# KiCad board output.Panel_R0.5.1_300x300_2layer_step1_Modified_1and5_only.kicad_pcb (continued)
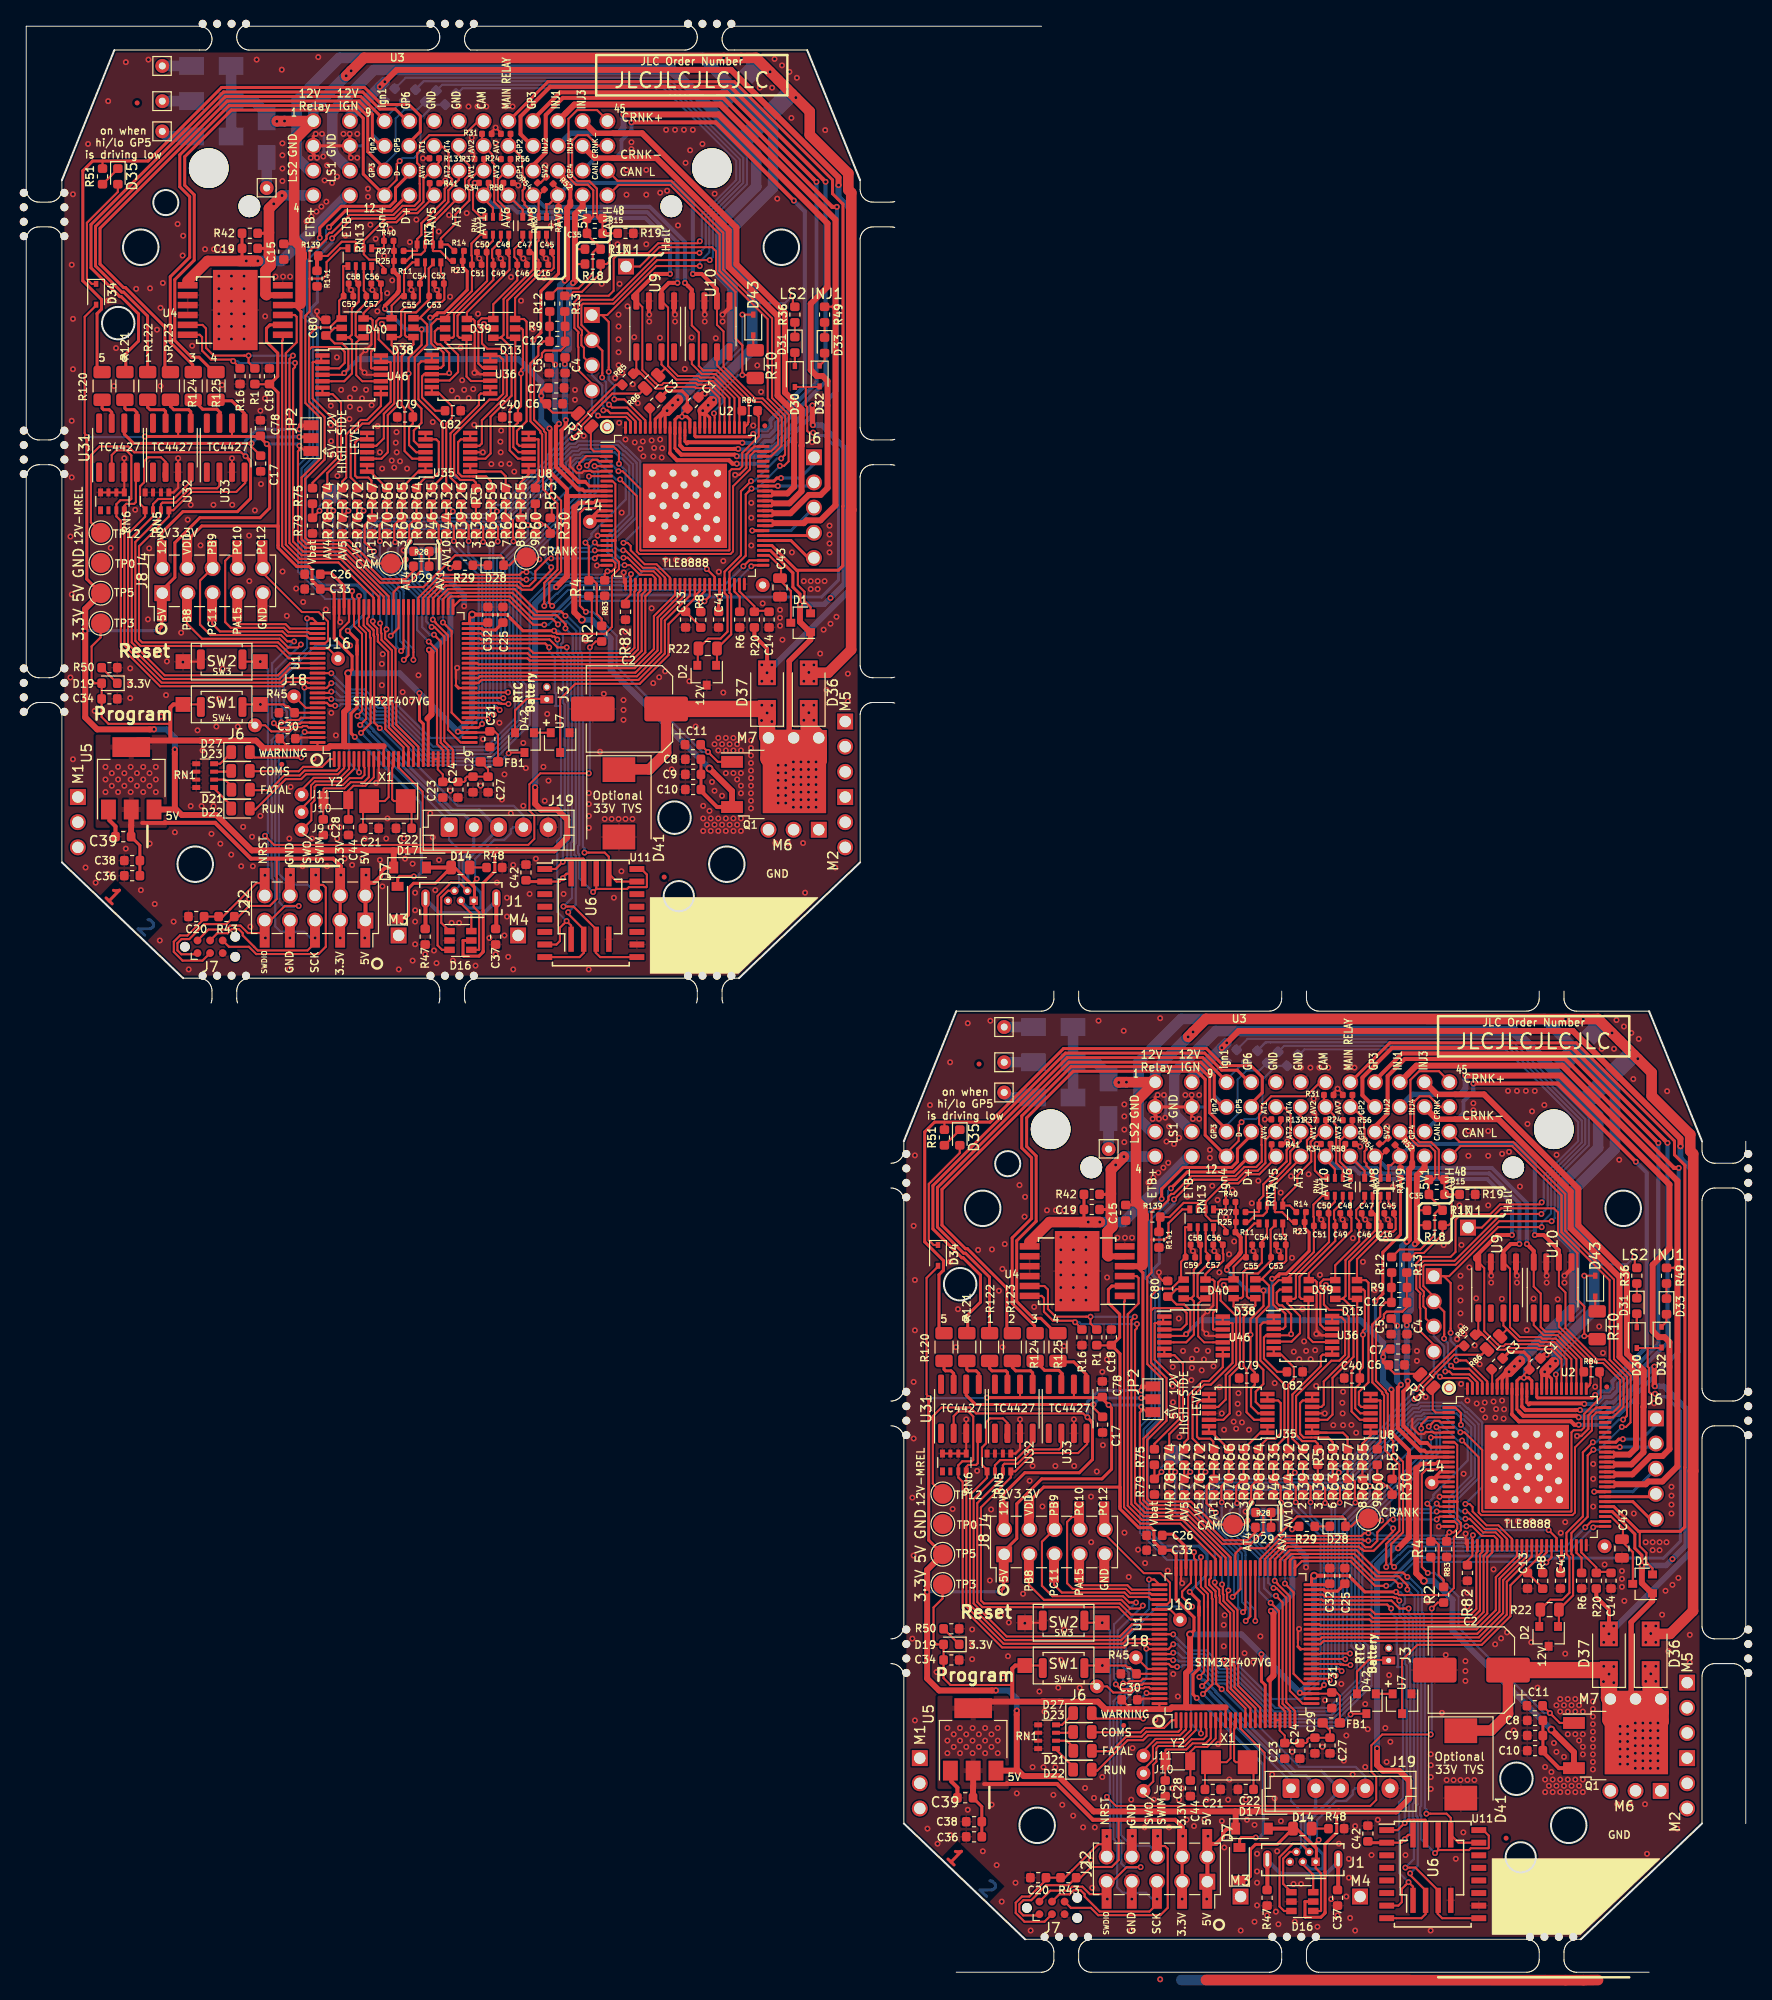
[diagram p0: board, top side]
## Nets (continued)
/TLE8888-1QK/IN_12: U1.38 U1#2.38 U2.39 U2#2.39
/TLE8888-1QK/INJ_EN: R83.1 R83#2.1 U1.58 U1#2.58 U2.24 U2#2.24
/TLE8888-1QK/INJ_IN_1: U1.45 U1#2.45 U2.28 U2#2.28
/TLE8888-1QK/INJ_IN_2: U1.44 U1#2.44 U2.29 U2#2.29
/TLE8888-1QK/INJ_IN_3: U1.43 U1#2.43 U2.30 U2#2.30
/TLE8888-1QK/INJ_IN_4: U1.42 U1#2.42 U2.31 U2#2.31
/TLE8888-1QK/KEY: C14.1 C14#2.1 R20.1 R20#2.1 U2.49 U2#2.49
/TLE8888-1QK/LIN_RX: U1.56 U1#2.56 U2.23 U2#2.23
/TLE8888-1QK/LIN_TX: U1.55 U1#2.55 U2.22 U2#2.22
/TLE8888-1QK/OUT_7: U2.14 U2.15 U2.16 U2#2.14 U2#2.15 U2#2.16 U3.J14 U3#2.J14
/TLE8888-1QK/OUT_14: U2.68 U2#2.68 U3.J61 U3#2.J61
/TLE8888-1QK/OUT_15: U2.67 U2#2.67 U3.J62 U3#2.J62
/TLE8888-1QK/OUT_16: U2.58 U2#2.58 U3.J63 U3#2.J63
/TLE8888-1QK/OUT_17: U2.57 U2#2.57 U3.J64 U3#2.J64
/TLE8888-1QK/OUT_18: U2.56 U2#2.56 U3.J65 U3#2.J65
/TLE8888-1QK/RST: R2.1 R2#2.1 R4.2 R4#2.2 U2.1 U2#2.1
/TLE8888-1QK/TLE_MON: R3.1 R3#2.1 U2.2 U2#2.2
/TLE8888-1QK/VR+: C12.1 C12#2.1 R9.1 R9#2.1 R12.2 R12#2.2 U2.52 U2#2.52
/TLE8888-1QK/VR-: C12.2 C12#2.2 R9.2 R9#2.2 R13.2 R13#2.2 U2.51 U2#2.51
/TLE8888-1QK/WAKE: R6.2 R6#2.2 U2.48 U2#2.48
/TLE_OUT10_PRE: R30.1 R30#2.1 U2.74 U2#2.74 U10.3 U10#2.3
/TLE_OUT11_PRE: R84.1 R84#2.1 U2.77 U2#2.77 U10.1 U10#2.1
/TLE_OUT12_PRE: R86.1 R86#2.1 U2.79 U2#2.79 U9.3 U9#2.3
/TLE_OUT13_PRE: R85.1 R85#2.1 U2.81 U2#2.81 U9.1 U9#2.1
/USB_D+: D16.6 D16#2.6 J1.3 J1#2.3 J19.3 J19#2.3 U1.71 U1#2.71 U3.16 U3#2.16
/USB_D-: D16.3 D16#2.3 J1.2 J1#2.2 J19.2 J19#2.2 U1.70 U1#2.70 U3.15 U3#2.15
Net-(C3-Pad2): C3.2 C3#2.2 U2.95 U2#2.95
Net-(C16-Pad1): C16.1 C16#2.1 D13.6 D13#2.6 RN2.8 RN2#2.8 U8.5 U8#2.5
Net-(C17-Pad1): C17.1 C17#2.1 JP2.2 JP2#2.2 U31.6 U31#2.6
Net-(C21-Pad1): C21.1 C21#2.1 U1.12 U1#2.12 X1.2 X1#2.2
Net-(C22-Pad1): C22.1 C22#2.1 U1.13 U1#2.13 X1.1 X1#2.1
Net-(C25-Pad1): C25.1 C25#2.1 U1.49 U1#2.49
Net-(C26-Pad1): C26.1 C26#2.1 U1.73 U1#2.73
Net-(C28-Pad1): C28.1 C28#2.1 U1.8 U1#2.8 Y2.1 Y2#2.1
Net-(C44-Pad2): C44.2 C44#2.2 U1.9 U1#2.9 Y2.2 Y2#2.2
Net-(C45-Pad1): C45.1 C45#2.1 D13.4 D13#2.4 RN2.7 RN2#2.7 U8.3 U8#2.3
Net-(C46-Pad1): C46.1 C46#2.1 D13.3 D13#2.3 RN2.6 RN2#2.6 U8.12 U8#2.12
Net-(C47-Pad1): C47.1 C47#2.1 D13.1 D13#2.1 RN2.5 RN2#2.5 U8.10 U8#2.10
Net-(C48-Pad1): C48.1 C48#2.1 D39.3 D39#2.3 RN4.8 RN4#2.8 U36.12 U36#2.12
Net-(C49-Pad1): C49.1 C49#2.1 D39.1 D39#2.1 RN4.7 RN4#2.7 U36.10 U36#2.10
Net-(C50-Pad1): C50.1 C50#2.1 D39.6 D39#2.6 RN4.6 RN4#2.6 U36.5 U36#2.5
Net-(C51-Pad1): C51.1 C51#2.1 D39.4 D39#2.4 RN4.5 RN4#2.5 U36.3 U36#2.3
Net-(C52-Pad1): C52.1 C52#2.1 D38.6 D38#2.6 RN3.8 RN3#2.8 U35.5 U35#2.5
Net-(C53-Pad1): C53.1 C53#2.1 D38.4 D38#2.4 RN3.7 RN3#2.7 U35.3 U35#2.3
Net-(C54-Pad1): C54.1 C54#2.1 D38.3 D38#2.3 RN3.6 RN3#2.6 U35.12 U35#2.12
Net-(C55-Pad1): C55.1 C55#2.1 D38.1 D38#2.1 RN3.5 RN3#2.5 U35.10 U35#2.10
Net-(C56-Pad1): C56.1 C56#2.1 D40.3 D40#2.3 RN13.8 RN13#2.8 U46.12 U46#2.12
Net-(C57-Pad1): C57.1 C57#2.1 D40.1 D40#2.1 RN13.7 RN13#2.7 U46.10 U46#2.10
Net-(C58-Pad1): C58.1 C58#2.1 D40.6 D40#2.6 RN13.6 RN13#2.6 U46.5 U46#2.5
Net-(D3-Pad2): D3.2 D3#2.2 J5.1 J5#2.1
Net-(D4-Pad2): D4.2 D4#2.2 J3.1 J3#2.1
Net-(D5-Pad2): D5.2 D5#2.2 J13.1 J13#2.1
Net-(D6-Pad2): D6.2 D6#2.2 J12.1 J12#2.1
Net-(D14-Pad1): D14.1 D14#2.1 R48.2 R48#2.2
Net-(D19-Pad1): D19.1 D19#2.1 R50.2 R50#2.2
Net-(D21-Pad1): D21.1 D21#2.1 RN1.2 RN1#2.2
Net-(D22-Pad1): D22.1 D22#2.1 RN1.1 RN1#2.1
Net-(D23-Pad1): D23.1 D23#2.1 RN1.3 RN1#2.3
Net-(D27-Pad1): D27.1 D27#2.1 RN1.4 RN1#2.4
Net-(D28-Pad1): D28.1 D28#2.1 R29.1 R29#2.1
Net-(D29-Pad1): D29.1 D29#2.1 R28.2 R28#2.2
Net-(D30-Pad1): D30.1 D30#2.1 D31.2 D31#2.2
Net-(D31-Pad1): D31.1 D31#2.1 R36.1 R36#2.1
Net-(D32-Pad1): D32.1 D32#2.1 D33.2 D33#2.2
Net-(D33-Pad1): D33.1 D33#2.1 R49.1 R49#2.1
Net-(D34-Pad1): D34.1 D34#2.1 D35.2 D35#2.2
Net-(D35-Pad1): D35.1 D35#2.1 R51.1 R51#2.1
Net-(D43-Pad1): D43.1 D43#2.1 R10.1 R10#2.1
Net-(NT1-Pad1): NT1.1 NT1#2.1 U1.68 U1#2.68
Net-(R5-Pad2): R5.2 R5#2.2 U36.13 U36.14 U36#2.13 U36#2.14
Net-(R8-Pad2): R8.2 R8#2.2 U2.42 U2#2.42
Net-(R26-Pad2): R26.2 R26#2.2 U36.8 U36.9 U36#2.8 U36#2.9
Net-(R32-Pad2): R32.2 R32#2.2 U36.6 U36.7 U36#2.6 U36#2.7
Net-(R35-Pad2): R35.2 R35#2.2 U36.1 U36.2 U36#2.1 U36#2.2
Net-(R53-Pad2): R53.2 R53#2.2 U8.6 U8.7 U8#2.6 U8#2.7
Net-(R55-Pad2): R55.2 R55#2.2 U8.1 U8.2 U8#2.1 U8#2.2
Net-(R57-Pad2): R57.2 R57#2.2 U8.13 U8.14 U8#2.13 U8#2.14
Net-(R59-Pad2): R59.2 R59#2.2 U8.8 U8.9 U8#2.8 U8#2.9
Net-(R64-Pad2): R64.2 R64#2.2 U35.6 U35.7 U35#2.6 U35#2.7
Net-(R65-Pad2): R65.2 R65#2.2 U35.1 U35.2 U35#2.1 U35#2.2
Net-(R66-Pad2): R66.2 R66#2.2 U35.13 U35.14 U35#2.13 U35#2.14
Net-(R67-Pad2): R67.2 R67#2.2 U35.8 U35.9 U35#2.8 U35#2.9
Net-(R72-Pad2): R72.2 R72#2.2 U46.13 U46.14 U46#2.13 U46#2.14
Net-(R73-Pad2): R73.2 R73#2.2 U46.8 U46.9 U46#2.8 U46#2.9
Net-(R74-Pad2): R74.2 R74#2.2 U46.6 U46.7 U46#2.6 U46#2.7
Net-(R75-Pad2): R75.2 R75#2.2 U46.1 U46.2 U46#2.1 U46#2.2
Net-(R120-Pad2): R120.2 R120#2.2 U31.7 U31#2.7
Net-(R121-Pad2): R121.2 R121#2.2 U31.5 U31#2.5
Net-(R122-Pad2): R122.2 R122#2.2 U32.7 U32#2.7
Net-(R123-Pad2): R123.2 R123#2.2 U32.5 U32#2.5
Net-(R124-Pad2): R124.2 R124#2.2 U33.7 U33#2.7
Net-(R125-Pad2): R125.2 R125#2.2 U33.5 U33#2.5
Net-(R139-Pad1): R139.1 R139#2.1 R141.1 R141#2.1 RN13.3 RN13#2.3

Pads without a net: J15 1; J15#2 1; J17 1; J17#2 1; RN6 5 6; RN6#2 5 6; U2 17 18 69 70 71 72; U2#2 17 18 69 70 71 72; U3 M3 M4 M11 M12 M13 M21 M22 M23 M51 M52 M53 M61 M62 M63; U3#2 M3 M4 M11 M12 M13 M21 M22 M23 M51 M52 M53 M61 M62 M63; U9 2 4; U9#2 2 4; U10 2 4; U10#2 2 4; U11 3 4 5 6 11 12 13 14; U11#2 3 4 5 6 11 12 13 14; U31 1 8; U31#2 1 8; U32 1 8; U32#2 1 8; U33 1 8; U33#2 1 8

## Via types
v1: diameter 0.6, hole 0.3, Top to Bottom, 1683 vias
v2: diameter 0.79, hole 0.434, Top to Bottom, 8 vias

## Routing (per net, layer and track width the routed paths; a pad name or vN(x,y) marks a point on that pad's centre or on a via; arc(x,y) is an arc through that point)
/5V: length 920.3
  Top w0.203: v1(164.44,58.39) 164.02,58.39 163.84,58.57 163.84,60.97 163.7,61.12 163.7,63 ; 163.7,63 D30#2.2 ; 163.7,63 165.05,63 D32#2.2 ; v1(127.7,64.4) 127.58,64.28 U36#2.4 ; U33#2.6 105.77,58.07 105.7,58 ; v1(112.58,57.07) 113.12,56.53 JP2#2.1 ; 140.89,60.21 140.7,60.4 138.15,60.4 137.72,60.83 137.72,61.3 ; v1(117.1,64.4) 116.92,64.22 U46#2.4 ; 100.3,58 100.33,58.03 U32#2.6 ; 20.7,155 20.77,155.07 U33.6 ; U46.4 31.92,161.22 v1(32.1,161.4) ; D30.2 78.7,160 ; 78.7,160 78.7,158.12 78.84,157.97 78.84,155.57 79.02,155.39 v1(79.44,155.39) ; 78.7,160 80.05,160 D32.2 ; v1(42.7,161.4) 42.58,161.28 U36.4 ; 55.89,157.21 55.7,157.4 53.15,157.4 52.72,157.82 52.72,158.3 ; U32.6 15.33,155.03 15.3,155 ; JP2.1 28.11,153.53 v1(27.58,154.07)
  Top w0.216: R14#2.2 129.06,76.6 R23#2.2 ; R11#2.2 122.08,75.67 R25#2.2 R27#2.2 122.12,77.7 R40#2.2 ; D29#2.2 124.55,46.4 124.9,46.05 124.9,44.5 123.63,43.23 120.74,43.23 117.21,46.77 113.15,46.77 112.43,47.49 112.43,56.5 112.58,56.64 v1(112.58,57.07) ; v1(117.1,64.4) 117.52,64.82 117.52,66.78 116.91,67.39 116.14,67.39 115.35,68.18 116.12,68.96 D40#2.5 ; U36#2.4 125.18,64.28 124.96,64.07 124.96,61.94 126.3,60.6 127.16,60.6 ; 124.09,69.05 124.33,68.81 v1(124.91,68.81) 124.91,67.23 123.6,65.92 123.6,64.4 ; v1(127.7,64.4) 127.7,66.4 126.8,67.3 126.5,67.3 126.25,67.55 126.25,68.6 126.55,68.9 127.56,68.9 ; 123.6,64.4 123.6,60.97 124.03,60.54 C79#2.1 124.03,59.28 123.65,58.9 123.65,57.12 124.37,56.41 U35#2.4 ; 123.6,64.4 v1(123.6,64.35) ; 134.95,64.75 v1(134.95,64.35) ; 134.95,64.75 134.95,61.05 134.64,60.74 C40#2.1 134.64,59.39 134.17,58.92 134.17,56.93 134.69,56.41 135.71,56.41 U8#2.4 ; 134.95,64.75 135.14,64.94 135.14,68.76 135,68.9 D13#2.5 ; v1(91.1,57.94) 90.9,58.32 90.9,70.08 92.05,71.22 D34#2.2 ; 38.6,161.4 38.6,157.97 39.03,157.54 C79.1 39.03,156.28 38.65,155.9 38.65,154.12 39.37,153.41 U35.4 ; 38.6,161.4 38.6,162.92 39.91,164.23 v1(39.91,165.81) 39.33,165.81 39.09,166.05 ; 38.6,161.4 v1(38.6,161.35) ; D34.2 7.05,168.23 5.9,167.07 5.9,155.32 v1(6.1,154.94) ; R40.2 37.12,174.7 R27.2 R25.2 37.08,172.67 R11.2 ; U8.4 50.71,153.41 49.69,153.41 49.17,153.93 49.17,155.92 49.64,156.39 C40.1 49.64,157.74 49.95,158.05 49.95,161.75 ; D29.2 39.55,143.4 39.9,143.05 39.9,141.5 38.63,140.23 35.74,140.23 32.21,143.77 28.15,143.77 27.43,144.49 27.43,153.5 27.58,153.64 v1(27.58,154.07) ; v1(32.1,161.4) 32.52,161.82 32.52,163.78 31.91,164.39 31.14,164.39 30.35,165.18 31.12,165.96 D40.5 ; 49.95,161.75 50.14,161.94 50.14,165.76 50,165.9 D13.5 ; 49.95,161.75 v1(49.95,161.35) ; R14.2 44.06,173.6 R23.2 ; U36.4 40.18,161.28 39.96,161.07 39.96,158.94 41.3,157.6 42.16,157.6 ; v1(42.7,161.4) 42.7,163.4 41.8,164.3 41.5,164.3 41.25,164.55 41.25,165.6 41.55,165.9 42.56,165.9
  Top w0.305: R7#2.1 138.74,74.44 136.96,72.66 136.96,68.47 v1(136.2,67.71) ; R23#2.2 129.06,75.13 129.06,75.13 129.52,74.67 129.52,72.79 127.21,70.48 126.51,70.48 126.45,70.42 126.45,70.27 126.28,70.27 126.01,70 v1(125.78,70) ; D16#2.5 129.1,7.13 129.1,5.61 129.16,5.55 130.71,5.55 131.12,5.96 131.12,6.04 131.14,6.06 131.14,10.14 131.12,10.15 131.12,12.93 132.31,14.12 132.31,16.19 132.49,16.38 132.52,16.38 ; C41#2.1 154.9,41.1 155,41.2 155,41.7 ; 142.1,51.99 142.34,51.99 142.35,52 U2#2.11 ; 155,41.7 v1(155,41.8) ; 155,41.7 U2#2.45 ; v1(97,58) 100.3,58 105.7,58 108.58,58 C78#2.1 108.64,57.88 v1(109.28,57.25) 109.57,56.95 109.57,50.77 108.6,49.8 102.53,49.8 100,47.28 100,43.78 98.68,42.46 J4#2.1 98.68,38.78 v1(98.3,38.4) ; 137.72,61.3 137.29,61.3 137,61.59 v1(137,62.1) 137,62.6 137.3,62.9 C7#2.1 ; TP5#2.1 91.11,43.61 91.11,57.77 v1(91.1,57.94) ; 52.72,159.9 52.3,159.9 52,159.6 v1(52,159.1) 52,158.59 52.29,158.3 52.72,158.3 ; C41.1 69.9,138.1 70,138.2 70,138.7 ; v1(6.1,154.94) 6.11,154.77 6.11,140.61 TP5.1 ; D16.5 44.1,104.13 44.1,102.61 44.16,102.55 45.71,102.55 46.12,102.96 46.12,103.04 46.14,103.06 46.14,107.14 46.12,107.15 46.12,109.93 47.31,111.12 47.31,113.19 47.49,113.38 47.52,113.38 ; 70,138.7 v1(70,138.8) ; 70,138.7 U2.45 ; R7.1 53.74,171.44 51.96,169.66 51.96,165.47 v1(51.2,164.71) ; 57.1,148.99 57.34,148.99 57.35,149 U2.11 ; v1(40.78,167) 41.01,167 41.28,167.27 41.45,167.27 41.45,167.42 41.51,167.48 42.21,167.48 44.52,169.79 44.52,171.67 44.06,172.13 44.06,172.13 R23.2 ; v1(13.3,135.4) 13.68,135.78 J4.1 13.68,139.46 15,140.78 15,144.28 17.53,146.8 23.6,146.8 24.57,147.77 24.57,153.95 v1(24.27,154.25) 23.64,154.88 C78.1 23.58,155 20.7,155 15.3,155 v1(12,155)
  Top w0.406: 34.25,109.16 34.25,106.38 ; R11#2.2 122.61,74.16 122.61,72.66 122.49,72.54 122.49,72.46 121.21,71.18 v1(121.21,70.89) ; 122.1,14.5 121.25,14.5 120.83,14.08 120.83,13.65 120.14,12.95 J2#2.2 ; v1(137.82,58.81) 137.92,58.71 137.92,54.35 139.6,52.67 139.6,52 139.61,51.99 142.1,51.99 ; 119.25,12.16 119.25,9.38 ; 119.24,12.93 119.31,12.99 v1(119.31,13.74) ; J2.2 35.14,109.95 35.83,110.65 35.83,111.08 36.25,111.5 D17.1 ; v1(36.21,167.89) 36.21,168.18 37.49,169.46 37.49,169.54 37.61,169.66 37.61,171.17 R11.2 ; v1(34.31,110.74) 34.31,109.99 34.24,109.93 ; v1(52.82,155.81) 52.92,155.71 52.92,151.35 54.6,149.67 54.6,149 54.61,148.99 57.1,148.99
  Top w0.6: v1(100,26.4) 100,20.5 100.7,19.8 104.2,19.8 107.77,16.23 122.06,16.23 ; v1(136.38,22.58) 136.38,20.92 136.96,20.34 138.61,20.34 139.63,19.32 139.63,17.55 138.31,16.23 122.06,16.23 ; 122.1,14.5 122.1,16.18 122.06,16.23 ; v1(138.5,42.8) 139.58,43.88 139.58,51.98 139.6,52 ; TP5#2.1 90.95,40.6 v1(90.95,38.35) 90.95,29.65 92.16,28.44 v1(97.9,28.44) ; U5#2.3 99.9,20.35 ; v1(53.5,139.8) 54.58,140.88 54.58,148.98 54.6,149 ; 37.06,113.23 53.31,113.23 54.63,114.55 54.63,116.32 53.61,117.34 51.96,117.34 51.38,117.92 v1(51.38,119.58) ; 37.06,113.23 22.77,113.23 19.2,116.8 15.7,116.8 15,117.5 v1(15,123.4) ; 37.06,113.23 37.1,113.18 D17.1 ; v1(12.9,125.44) 7.16,125.44 5.95,126.65 v1(5.95,135.35) 5.95,137.6 TP5.1 ; U5.3 14.9,117.35
  Bottom w0.203: 127.7,65.8 v1(127.7,64.4) ; 42.7,162.8 v1(42.7,161.4)
  Bottom w0.216: 124.96,68.85 v1(124.91,68.81) ; v1(134.95,64.35) 135.5,64.9 135.6,64.9 ; 123.6,65.8 v1(123.6,64.35) ; v1(97,58) 96.94,57.94 v1(91.1,57.94) ; 50.6,161.9 50.5,161.9 v1(49.95,161.35) ; v1(38.6,161.35) 38.6,162.8 ; v1(6.1,154.94) 11.94,154.94 v1(12,155) ; 39.96,165.85 v1(39.91,165.81)
  Bottom w0.305: 135.6,64.9 136.2,65.5 v1(136.2,67.71) ; v1(125.78,70) 125.78,68.89 125.7,68.8 125.69,68.81 ; v1(164.44,58.39) 164.74,58.09 165.56,58.09 167,56.65 167,43.5 165.3,41.8 v1(155,41.8) 153.92,41.8 153.72,42 143.5,42 143.34,41.84 139.97,41.84 137.83,39.7 136.4,39.7 ; v1(109.28,57.25) 112.4,57.25 v1(112.58,57.07) ; v1(90.95,38.35) 91,38.4 v1(98.3,38.4) ; v1(51.2,164.71) 51.2,162.5 50.6,161.9 ; 51.4,136.7 52.83,136.7 54.97,138.84 58.34,138.84 58.5,139 68.72,139 68.92,138.8 v1(70,138.8) 80.3,138.8 82,140.5 82,153.65 80.56,155.09 79.74,155.09 v1(79.44,155.39) ; v1(5.95,135.35) 6,135.4 v1(13.3,135.4) ; v1(40.78,167) 40.78,165.88 40.7,165.8 40.69,165.81 ; v1(24.27,154.25) 27.4,154.25 v1(27.58,154.07)
  Bottom w0.406: v1(124.91,68.81) 123.29,68.81 v1(121.21,70.89) ; 118.5,65.8 v1(117.1,64.4) ; v1(39.91,165.81) 38.29,165.81 v1(36.21,167.89) ; 33.5,162.8 v1(32.1,161.4)
  Bottom w0.6: 118.5,65.8 123.6,65.8 125.7,65.8 ; v1(137.82,58.81) 137,59.63 v1(137,62.1) 137,63.5 134.7,65.8 127.7,65.8 125.7,65.8 ; 125.7,65.8 125.7,68.8 ; 125.69,68.81 v1(124.91,68.81) ; v1(138.5,42.8) 138.03,42.8 136.38,41.14 v1(136.38,22.58) ; v1(97.9,28.44) 99.16,28.44 100,27.6 v1(100,26.4) ; 40.69,165.81 v1(39.91,165.81) ; v1(12.9,125.44) 14.16,125.44 15,124.6 v1(15,123.4) ; 40.7,162.8 40.7,165.8 ; 40.7,162.8 42.7,162.8 49.7,162.8 52,160.5 v1(52,159.1) 52,156.63 v1(52.82,155.81) ; 40.7,162.8 38.6,162.8 33.5,162.8 ; v1(53.5,139.8) 53.03,139.8 51.38,138.14 v1(51.38,119.58)
  vias: v1(34.18,104.39) v1(119.18,7.39)
/5V1: length 72.8
  Top w0.203: 140.4,76.8 140.5,76.9 R17#2.1 ; R18#2.1 140.4,75.4 ; C4#2.1 139.4,65.32 v1(139.37,65.3) ; R17.1 55.5,173.9 55.4,173.8 ; R18.1 55.4,172.4 ; 54.4,162.98 54.4,162.32 v1(54.37,162.3)
  Top w0.305: U2#2.9 141.85,53 141.42,53.42 ; U2.9 56.85,150 56.42,150.42
  Top w0.406: v1(139.48,59.66) 139.48,59.05 139.03,58.6 139.03,55.15 140.76,53.42 141.42,53.42 ; 56.42,150.42 55.76,150.42 54.03,152.15 54.03,155.6 54.48,156.05 v1(54.48,156.66)
  Top w0.6: v1(140.2,73.5) 140.4,73.7 140.4,80.43 141.17,81.2 U3#2.44 ; v1(55.2,170.5) 55.4,170.7 55.4,177.43 56.17,178.2 U3.44
  Bottom w0.6: v1(139.48,59.66) 139.37,59.76 v1(139.37,65.3) 139.35,66.4 139.8,66.85 139.8,73.1 v1(140.2,73.5) ; v1(55.2,170.5) 54.8,170.1 54.8,163.85 54.35,163.4 v1(54.37,162.3) 54.37,156.76 v1(54.48,156.66)
/5V2: length 76.9
  Top w0.203: v1(138.4,65.26) 137.8,65.86 C5#2.1 ; 52.8,162.98 52.8,162.86 v1(53.4,162.26)
  Top w0.305: 141.15,52.65 141.3,52.5 U2#2.10 ; 56.15,149.65 56.3,149.5 U2.10
  Top w0.406: v1(138.79,59.28) 138.48,58.97 138.48,54.92 140.74,52.65 141.15,52.65 ; 139.9,83 139.93,82.97 139.93,81.73 ; 56.15,149.65 55.74,149.65 53.48,151.92 53.48,155.97 v1(53.79,156.28) ; 54.9,180 54.93,179.97 54.93,178.73
  Top w0.6: 139.93,81.73 139.93,81.33 139.6,81 139.6,73.96 v1(139.37,73.73) ; U3#2.39 138.67,84.67 139.18,84.16 139.18,83.94 139.9,83.22 139.9,83 ; 54.93,178.73 54.93,178.33 54.6,178 54.6,170.96 v1(54.37,170.73) ; 54.9,180 54.9,180.22 54.18,180.94 54.18,181.16 53.67,181.67 U3.39
  Bottom w0.6: v1(138.79,59.28) 138.4,59.67 v1(138.4,65.26) 138.4,66.7 138.9,67.2 138.9,73.26 v1(139.37,73.73) ; v1(54.37,170.73) 53.9,170.26 53.9,164.2 53.4,163.7 v1(53.4,162.26) 53.4,156.67 v1(53.79,156.28)
/12V_KEY: length 234
  Top w0.406: 158.51,38.86 158.51,37.88 159.8,36.6 159.8,34.16 v1(159.79,34.15) 159.99,34.35 ; 73.51,135.86 73.51,134.88 74.8,133.6 74.8,131.16 v1(74.79,131.15) 74.99,131.35
  Top w0.6: v1(120.7,93.3) 122.4,95 156.15,95 167.01,84.14 v1(167.01,83.37) ; v1(82.01,180.37) 82.01,181.14 71.15,192 37.4,192 v1(35.7,190.3)
  Bottom w0.6: v1(167.01,83.37) 167,83.36 167,82.15 168.4,80.75 168.4,42.76 v1(159.79,34.15) 160.09,34.45 ; v1(82.01,180.37) 82,180.36 82,179.15 83.4,177.75 83.4,139.76 v1(74.79,131.15) 75.09,131.45
  Bottom w1.067: 121.18,93.78 v1(120.7,93.3) 117.67,90.27 U3#2.5 ; U3.5 32.67,187.27 v1(35.7,190.3) 36.18,190.78
  vias: v1(36.2,190.8) v1(74.26,131.94) v1(74.26,130.29) v1(75.28,131.94) v1(75.28,130.29) v1(121.2,93.8) v1(159.26,34.94) v1(159.26,33.29) v1(160.28,34.94) v1(160.28,33.29)
/12V_MREL: length 499.7
  Top w0.216: 92.57,48.28 91.53,49.33 91.53,56.12 92.4,57 95.3,57 95.9,56.4 106.7,56.4 v1(107.14,56.01) ; 7.57,145.28 6.53,146.33 6.53,153.12 7.4,154 10.3,154 10.9,153.4 21.7,153.4 v1(22.14,153.01)
  Top w0.305: 112.7,77.2 112.46,77.44 C15#2.1 ; JP2#2.3 112.99,59.13 v1(112.58,58.72) 112.58,59.14 112.74,59.31 112.74,70.6 112.08,71.26 ; v1(107.14,56.01) 107.6,55.55 107.6,55.45 107.64,55.4 107.64,51.74 106.31,50.41 100.81,50.41 98.68,48.28 J4#2.2 ; 27.7,174.2 27.46,174.44 C15.1 ; v1(22.14,153.01) 22.6,152.55 22.6,152.45 22.64,152.4 22.64,148.74 21.31,147.41 15.81,147.41 13.68,145.28 J4.2 ; JP2.3 27.99,156.13 v1(27.58,155.72) 27.58,156.14 27.74,156.31 27.74,167.6 27.08,168.26
  Top w0.406: 112.57,71.26 112.58,71.27 ; 27.57,168.26 27.58,168.27
  Top w0.6: U4#2.4 112.57,71.26 ; U4.4 27.57,168.26
  Top w1.067: v1(110.3,89.8) 110.33,89.83 v1(111.08,89.83) U3#2.1 ; 112.7,71.39 112.7,77.2 112.04,77.86 112.04,87.88 112.04,87.88 113.98,89.83 ; D36#2.2 165.97,34.15 168.28,36.46 168.28,50.59 168.29,50.6 168.29,82.59 168,82.89 168,84.55 164.1,88.44 164.1,90.8 v1(162.7,92.2) v1(161.85,93.05) v1(160.1,94.8) 158.69,96.21 v1(157.2,96.2) v1(155.42,96.2) 119.11,96.21 117.8,94.91 v1(117.8,94.9) v1(117.3,94.4) ; 158.69,-0.79 157.2,-0.8 155.42,-0.8 119.11,-0.79 ; v1(25.3,186.8) 25.33,186.83 v1(26.08,186.83) U3.1 ; v1(32.3,191.4) v1(32.8,191.9) 32.8,191.91 34.11,193.21 v1(70.42,193.2) v1(72.2,193.2) 73.69,193.21 v1(75.1,191.8) v1(76.85,190.05) v1(77.7,189.2) 79.1,187.8 79.1,185.44 83,181.55 83,179.89 83.29,179.59 83.29,147.6 83.28,147.59 83.28,133.46 80.97,131.15 D36.2 ; 27.7,168.39 27.7,174.2 27.04,174.86 27.04,184.88 27.04,184.88 28.98,186.83
  Bottom w0.305: v1(107.14,56.01) 107.14,57.58 108.28,58.72 v1(112.58,58.72) ; v1(22.14,153.01) 22.14,154.58 23.28,155.72 v1(27.58,155.72)
  Bottom w0.406: v1(162.7,92.2) 161.93,91.43 D15#2.1 160.93,92.13 v1(161.85,93.05) ; v1(157.2,96.2) 157.4,96.2 158.49,95.11 D20#2.1 159.79,95.11 v1(160.1,94.8) ; 157.4,-0.8 157.2,-0.8 ; v1(72.2,193.2) 72.4,193.2 73.49,192.11 D20.1 74.79,192.11 v1(75.1,191.8) ; v1(76.85,190.05) 75.93,189.13 D15.1 76.93,188.43 v1(77.7,189.2)
  Bottom w1.067: v1(117.8,94.9) 117.02,94.13 113.98,91.09 113.98,89.83 ; D3#2.1 D5#2.1 ; D5#2.1 D6#2.1 ; D5#2.1 108,91.84 109.28,90.57 D4#2.1 109.6,89.83 v1(111.08,89.83) 111.04,89.8 v1(110.3,89.8) ; D5.1 23.01,188.84 24.27,187.57 D4.1 24.6,186.83 v1(26.08,186.83) 26.04,186.8 v1(25.3,186.8) ; D5.1 D6.1 ; D5.1 D3.1 ; 28.98,186.83 28.98,188.09 32.02,191.13 v1(32.8,191.9)
  vias: v1(78.5,131.94) v1(78.5,130.29) v1(79.01,131.18) v1(79.52,131.94) v1(79.52,130.29) v1(163.5,34.94) v1(163.5,33.29) v1(164.01,34.18) v1(164.52,34.94) v1(164.52,33.29)
/12V_SAFE: length 281.4
  Top w0.203: v1(151.2,60) 151.2,60.3 C1#2.1 ; v1(157.3,70.3) D43#2.2 ; v1(72.3,167.3) D43.2 ; v1(66.2,157) 66.2,157.3 C1.1
  Top w0.305: C1#2.1 151.74,62.06 151.21,62.59 149.69,62.59 C3.1 ; 150.7,56.6 150.49,56.81 150.49,58.26 150.5,58.27 U2#2.90 150.5,59.7 150.8,60 v1(151.2,60) 151.7,60 152,59.7 U2#2.87 ; U2#2.54 160.12,46.5 162.4,44.22 162.4,42.8 163.11,42.09 v1(163.11,41.05) ; U2.54 75.12,143.5 77.4,141.22 77.4,139.8 78.11,139.09 v1(78.11,138.05) ; 65.7,153.6 65.49,153.81 65.49,155.26 65.5,155.27 U2.90 65.5,156.7 65.8,157 v1(66.2,157) 66.7,157 67,156.7 U2.87 ; C3#2.1 64.69,159.59 66.21,159.59 66.74,159.06 C1.1
  Top w0.406: v1(156.73,56.01) 156.69,56.01 156.53,56.16 151.14,56.16 150.7,56.6 ; v1(71.73,153.01) 71.69,153.01 71.53,153.16 66.14,153.16 65.7,153.6
  Top w0.55: D1#2.1 164.19,37.49 162.03,35.33 162.03,28.29 162.47,27.85 U3#2.M72 ; v1(164.38,61.13) 164.38,59.19 v1(164.42,59.14) ; v1(79.38,158.13) 79.38,156.19 v1(79.42,156.14) ; U3.M72 77.47,124.85 77.03,125.29 77.03,132.33 79.19,134.49 D1.1
  Top w0.6: 164.05,38.39 D1#2.1 164.14,38.25 163.11,39.27 v1(163.11,41.05) ; v1(78.11,138.05) 78.11,136.27 79.14,135.25 D1.1 79.05,135.39
  Top w1.067: D41#2.1 144.86,24.4 147.9,24.4 149.6,26.1 C2#2.1 ; D41.1 59.86,121.4 62.9,121.4 64.6,123.1 C2.1
  Top w1.651: U3#2.M71 164.01,28.58 v1(164.01,30.12) ; U3#2.M71 165.01,26.3 ; U3#2.M71 U3#2.M73 ; Q1#2.2 162.47,22.96 U3#2.M72 ; Q1#2.2 165.01,25.34 165.01,26.3 ; Q1#2.2 159.93,25.5 U3#2.M73 ; v1(159.8,30.09) 159.8,27.72 U3#2.M73 ; C2#2.1 159.44,30.5 D37#2.1 ; 165.01,26.3 161,26.3 161.31,26.3 ; 76.31,123.3 76,123.3 80.01,123.3 ; v1(74.8,127.09) 74.8,124.72 U3.M73 ; C2.1 74.44,127.5 D37.1 ; U3.M72 77.47,119.96 Q1.2 ; U3.M73 74.93,122.5 Q1.2 ; U3.M73 U3.M71 ; Q1.2 80.01,122.34 80.01,123.3 ; v1(79.01,127.12) 79.01,125.58 U3.M71 ; 80.01,123.3 U3.M71
  Bottom w0.203: v1(157.3,70.3) 157.3,67 151.2,60.9 v1(151.2,60) ; 166.25,41.75 v1(166.2,41.7) ; v1(66.2,157) 66.2,157.9 72.3,164 v1(72.3,167.3) ; 81.25,138.75 v1(81.2,138.7)
  Bottom w0.55: v1(164.42,59.14) 165.32,59.14 167.58,56.89 167.58,43.08 165.55,41.05 v1(163.11,41.05) ; v1(156.73,56.01) 159.15,56.01 160.02,56.88 160.5,56.88 161.89,58.27 161.89,58.65 v1(164.38,61.13) ; v1(71.73,153.01) 74.15,153.01 75.02,153.88 75.5,153.88 76.89,155.27 76.89,155.65 v1(79.38,158.13) ; v1(78.11,138.05) 80.55,138.05 82.58,140.08 82.58,153.89 80.32,156.14 v1(79.42,156.14)
  vias: v1(74.24,126.33) v1(74.26,127.88) v1(75.28,127.86) v1(75.28,126.23) v1(75.91,121.81) v1(75.91,121.05) v1(75.91,120.29) v1(75.91,119.53) v1(75.91,118.77) v1(75.91,118) v1(76.67,121.81) v1(76.67,121.05) v1(76.67,120.29) v1(76.67,119.53) v1(76.67,118.77) v1(76.67,118) v1(77.45,122.15) v1(77.45,121.39) v1(77.45,120.63) v1(77.45,119.87) v1(77.45,119.1) v1(77.45,118.34) v1(77.45,117.58) v1(78.21,122.15) v1(78.21,121.39) v1(78.21,120.63) v1(78.21,119.87) v1(78.21,119.1) v1(78.21,118.34) v1(78.21,117.58) v1(78.45,127.88) v1(78.5,126.36) v1(78.98,122.15) v1(78.98,121.39) v1(78.98,120.63) v1(78.98,119.87) v1(78.98,119.1) v1(78.98,118.34) v1(78.98,117.58) v1(79.52,127.88) v1(79.52,126.36) v1(79.74,122.15) v1(79.74,121.39) v1(79.74,120.63) v1(79.74,119.87) v1(79.74,119.1) v1(79.74,118.34) v1(79.74,117.58) v1(159.24,29.33) v1(159.26,30.88) v1(160.28,30.86) v1(160.28,29.23) v1(160.91,24.81) v1(160.91,24.05) v1(160.91,23.29) v1(160.91,22.53) v1(160.91,21.77) v1(160.91,21) v1(161.67,24.81) v1(161.67,24.05) v1(161.67,23.29) v1(161.67,22.53) v1(161.67,21.77) v1(161.67,21) v1(162.45,25.15) v1(162.45,24.39) v1(162.45,23.63) v1(162.45,22.87) v1(162.45,22.1) v1(162.45,21.34) v1(162.45,20.58) v1(163.21,25.15) v1(163.21,24.39) v1(163.21,23.63) v1(163.21,22.87) v1(163.21,22.1) v1(163.21,21.34) v1(163.21,20.58) v1(163.45,30.88) v1(163.5,29.36) v1(163.98,25.15) v1(163.98,24.39) v1(163.98,23.63) v1(163.98,22.87) v1(163.98,22.1) v1(163.98,21.34) v1(163.98,20.58) v1(164.52,30.88) v1(164.52,29.36) v1(164.74,25.15) v1(164.74,24.39) v1(164.74,23.63) v1(164.74,22.87) v1(164.74,22.1) v1(164.74,21.34) v1(164.74,20.58)
/ADC/AGND: length 55
  Top w0.216: R61#2.1 134.9,48.03 ; R61.1 49.9,145.03
  Top w0.305: 125.5,29.53 125.59,29.44 U1#2.20 ; 40.5,126.53 40.59,126.44 U1.20
  Top w0.6: v1(125.66,36.47) 125.91,36.22 125.91,29.94 125.5,29.53 ; v1(40.66,133.47) 40.91,133.22 40.91,126.94 40.5,126.53
  Bottom w0.6: 124.9,46.5 v1(123.1,46.5) ; 124.9,46.5 124.9,44.7 126.26,43.34 126.26,43.33 127.82,41.77 127.82,38.21 126.08,36.47 v1(125.66,36.47) ; 124.9,46.5 v1(126.7,46.5) ; v1(40.66,133.47) 41.08,133.47 42.82,135.21 42.82,138.77 41.26,140.33 41.26,140.34 39.9,141.7 39.9,143.5 ; v1(41.7,143.5) 39.9,143.5 ; 39.9,143.5 v1(38.1,143.5)
/ADC/AV11_MCU: length 9.3
  Top w0.216: v1(114.61,50.5) 114.61,50.5 R79#2.2 R75#2.1 ; v1(29.61,147.5) 29.61,147.5 R79.2 R75.1
  Bottom w0.203: TP1#2.1 114.61,50.95 v1(114.61,50.5) ; TP1.1 29.61,147.95 v1(29.61,147.5)
/AV1: length 15.4
  Top w0.216: R37#2.1 131.22,84.88 U3#2.27 130.7,84.83 129.67,83.8 129.67,83.43 130.1,82.99 130.1,80.92 130.85,80.17 RN4#2.4 ; RN4.4 45.85,177.17 45.1,177.92 45.1,179.99 44.67,180.43 44.67,180.8 45.7,181.83 U3.27 46.22,181.88 R37.1
/AV1_MCU: length 86.4
  Top w0.216: U1#2.15 123.09,26.63 121.25,28.47 121.25,30.68 120.93,31 v1(120.93,31.53) ; R35#2.1 R46#2.2 126.64,49.05 126.64,47.46 v1(126.7,47.4) ; U1.15 38.09,123.63 36.25,125.47 36.25,127.68 35.93,128 v1(35.93,128.53) ; v1(41.7,144.4) 41.64,144.46 41.64,146.05 R46.2 R35.1
  Bottom w0.216: v1(126.7,47.4) 127.3,47.4 130.67,44.03 130.67,29.9 130.66,29.88 130.66,29.5 128.74,27.58 125.78,27.58 121.83,31.53 v1(120.93,31.53) ; v1(35.93,128.53) 36.83,128.53 40.78,124.58 43.74,124.58 45.66,126.5 45.66,126.88 45.67,126.9 45.67,141.03 42.3,144.4 v1(41.7,144.4)
/AV2: length 18.3
  Top w0.216: R31#2.1 131.01,87.49 U3#2.26 132.03,86.47 132.03,85.69 132.25,85.48 132.25,81.67 132.92,81 RN4#2.2 ; R31.1 46.02,184.49 U3.26 47.03,183.47 47.03,182.69 47.25,182.48 47.25,178.67 47.92,178 RN4.2
/AV2_MCU: length 49.8
  Top w0.216: R26#2.1 R39#2.2 129.66,49.02 v1(129.66,47.43) ; U1#2.31 131.46,29.62 v1(131.6,29.47) ; R26.1 R39.2 44.66,146.02 v1(44.66,144.43) ; U1.31 46.46,126.62 v1(46.6,126.47)
  Bottom w0.216: v1(131.6,29.47) 131.6,29.9 131.41,30.09 131.41,31.1 ; 131.41,31.1 131.41,44.49 129.62,46.27 129.62,47.39 v1(129.66,47.43) ; 131.41,31.1 131.41,30.99 ; v1(46.6,126.47) 46.6,126.9 46.41,127.09 46.41,128.1 ; 46.41,128.1 46.41,127.99 ; 46.41,128.1 46.41,141.49 44.62,143.27 44.62,144.39 v1(44.66,144.43)
/AV3: length 13.8
  Top w0.216: R24#2.1 133.89,85.05 U3#2.31 133.51,84.83 132.61,83.94 132.61,81.82 133.72,80.72 RN4#2.1 ; RN4.1 48.72,177.72 47.61,178.82 47.61,180.94 48.51,181.83 U3.31 48.89,182.05 R24.1
/AV3_MCU: length 49.1
  Top w0.216: R5#2.1 R38#2.2 130.4,49.58 131.14,48.85 v1(131.14,47.36) ; v1(132.2,29.93) 132.01,30.12 U1#2.32 ; v1(47.2,126.93) 47.01,127.12 U1.32 ; R5.1 R38.2 45.4,146.58 46.14,145.85 v1(46.14,144.36)
  Bottom w0.216: v1(131.14,47.36) 131.78,46.72 131.78,30.35 v1(132.2,29.93) ; v1(46.14,144.36) 46.78,143.72 46.78,127.35 v1(47.2,126.93)
/AV4: length 208.3
  Top w0.203: U3#2.19 126.17,85.18 126.68,85.68 R131#2.1 ; R11#2.1 121.11,75.02 120.28,75.85 119.62,75.85 119.07,76.39 119.07,76.99 ; R11.1 36.11,172.02 35.28,172.85 34.62,172.85 34.07,173.39 34.07,173.99 ; R131.1 41.68,182.68 41.17,182.18 U3.19
  Top w0.216: 125.9,84.81 125.1,84.01 125.1,81.67 124.34,80.9 123.13,80.9 122.22,79.99 ; 122.22,79.99 117.87,79.99 v1(115.88,78) ; 122.22,79.99 121.3,79.99 119.07,77.76 119.07,76.99 ; 37.22,176.99 38.13,177.9 39.34,177.9 40.1,178.67 40.1,181.01 40.9,181.81 ; 37.22,176.99 36.3,176.99 34.07,174.76 34.07,173.99 ; 37.22,176.99 32.87,176.99 v1(30.88,175)
  Top w0.305: 122.5,12.65 122.5,13.4 122.7,13.6 v1(124.13,13.6) ; 118.4,31.1 118.4,30.64 117.8,30.04 117.8,28.05 v1(118.17,27.68) ; 118.4,31.1 118.4,36 ; 118.4,31.1 118.49,31.01 ; v1(117.46,38.39) 118.4,37.45 118.4,36 ; 118.4,36 118.4,36.9 118.4,36.3 118.4,36.71 ; 37.5,109.65 37.5,110.4 37.7,110.6 v1(39.13,110.6) ; 33.4,133 33.4,134.45 v1(32.46,135.39) ; 33.4,133 33.4,133.9 33.4,133.3 33.4,133.71 ; 33.4,133 33.4,128.1 ; v1(33.17,124.68) 32.8,125.05 32.8,127.04 33.4,127.64 33.4,128.1 ; 33.4,128.1 33.49,128.01
  Bottom w0.305: v1(124.13,13.6) 124.51,13.6 124.9,13.99 124.9,20.95 v1(118.17,27.68) ; v1(115.88,78) 115.88,77.57 114.39,76.08 114.39,74.59 ; 114.39,74.59 114.39,71.56 113.75,70.92 113.75,70.34 114.39,69.7 114.39,55.79 113.2,54.6 113.2,44.68 114.87,43 118.39,43 119.2,42.19 119.2,40.14 v1(117.46,38.39) ; 114.39,74.59 114.39,74.79 ; v1(39.13,110.6) 39.51,110.6 39.9,110.99 39.9,117.95 v1(33.17,124.68) ; 29.39,171.59 29.39,173.08 30.88,174.57 v1(30.88,175) ; 29.39,171.59 29.39,171.79 ; 29.39,171.59 29.39,168.56 28.75,167.92 28.75,167.34 29.39,166.7 29.39,152.79 28.2,151.6 28.2,141.68 29.87,140 33.39,140 34.2,139.19 34.2,137.14 v1(32.46,135.39)
/AV4_MCU: length 62
  Top w0.216: R73#2.1 R77#2.2 116.9,49.88 v1(117.52,50.5) 117.52,50.57 ; v1(120.73,39.14) 120.81,39.06 120.81,38.18 120.87,38.12 120.87,37.46 121.92,36.41 121.92,31.05 121.99,30.98 121.99,28.77 124.09,26.67 U1#2.17 ; U1.17 39.09,123.67 36.99,125.77 36.99,127.98 36.92,128.05 36.92,133.41 35.87,134.46 35.87,135.12 35.81,135.18 35.81,136.06 v1(35.73,136.14) ; R73.1 R77.2 31.9,146.88 v1(32.52,147.5) 32.52,147.57
  Bottom w0.216: 117.52,50.57 116.7,49.74 116.7,46.22 120.73,42.19 v1(120.73,39.14) ; v1(35.73,136.14) 35.73,139.19 31.7,143.22 31.7,146.74 32.52,147.57
/AV5: length 23.9
  Top w0.203: R40#2.1 121.11,77.13 120.97,76.99 119.87,76.99 ; 126.68,82.83 U3#2.20 ; 41.68,179.83 U3.20 ; R40.1 36.11,174.13 35.97,173.99 RN13.1
  Top w0.216: R41#2.1 125.73,82.77 U3#2.20 126.17,82.22 124.49,80.53 123.28,80.53 122.37,79.62 121.45,79.62 121.11,79.28 R40#2.1 ; R40.1 36.11,176.28 36.45,176.62 37.37,176.62 38.28,177.53 39.49,177.53 41.17,179.22 U3.20 40.73,179.77 R41.1
/AV5_MCU: length 63
  Top w0.216: 119.05,50.44 v1(119.05,50.5) 119.05,50.44 R76#2.2 R72#2.1 ; v1(121.37,38.53) 121.24,38.4 121.24,37.62 122.28,36.57 122.28,31.21 122.36,31.14 122.36,28.93 124.59,26.69 U1#2.18 ; U1.18 39.59,123.69 37.36,125.93 37.36,128.13 37.28,128.21 37.28,133.57 36.24,134.62 36.24,135.4 v1(36.37,135.53) ; R72.1 R76.2 34.05,147.44 v1(34.05,147.5) 34.05,147.44
  Bottom w0.216: v1(121.37,38.53) 121.37,42.07 117.1,46.34 117.1,48.49 119.05,50.44 ; v1(36.37,135.53) 36.37,139.07 32.1,143.34 32.1,145.49 34.05,147.44
/AV6: length 96.5
  Top w0.203: U2#2.78 156.5,61.89 154.44,63.95 153.06,63.95 152.9,64.1 150.8,64.1 149.8,65.1 149.8,71.01 149.13,71.68 ; U2.78 71.5,158.89 69.44,160.95 68.06,160.95 67.9,161.1 65.8,161.1 64.8,162.1 64.8,168.01 U9.6
  Top w0.216: RN2#2.4 135.13,80.88 U3#2.32 133.17,82.83 R58#2.1 ; R58.1 48.17,179.83 U3.32 50.13,177.88 RN2.4
  Top w0.406: v1(150.75,73.5) 149.88,73.5 149.13,72.76 149.13,71.68 ; U9.6 64.14,169.76 64.88,170.5 v1(65.75,170.5)
  Bottom w0.406: U3#2.32 134.83,81.18 136.32,81.18 136.88,80.62 147.72,80.62 150.75,77.59 v1(150.75,73.5) ; v1(65.75,170.5) 65.75,174.59 62.72,177.62 51.88,177.62 51.32,178.18 49.83,178.18 U3.32
/AV6_MCU: length 92.5
  Top w0.216: U1#2.33 132.58,30.62 v1(132.8,30.4) ; v1(132.6,47.4) 132.64,47.44 132.64,48.85 131.9,49.58 R63#2.2 ; v1(132.52,50.44) 132.52,50.4 R63#2.2 ; v1(140.15,57.83) 141.04,58.73 141.04,59.06 142.08,60.1 142.08,60.25 144.16,62.32 146.94,62.32 R86.2 ; R63#2.2 R59#2.1 ; R86#2.2 61.94,159.32 59.16,159.32 57.08,157.25 57.08,157.1 56.04,156.06 56.04,155.73 v1(55.15,154.83) ; U1.33 47.58,127.62 v1(47.8,127.4) ; R59.1 R63.2 ; R63.2 47.52,147.4 v1(47.52,147.44) ; R63.2 46.9,146.58 47.64,145.85 47.64,144.44 v1(47.6,144.4)
  Bottom w0.216: v1(132.8,30.4) 132.15,31.05 132.15,46.95 v1(132.6,47.4) ; v1(132.52,50.44) 132.85,50.44 137.99,55.57 137.99,55.95 139.87,57.83 v1(140.15,57.83) ; v1(47.8,127.4) 47.15,128.05 47.15,143.95 v1(47.6,144.4) ; v1(55.15,154.83) 54.87,154.83 52.99,152.95 52.99,152.57 47.85,147.44 v1(47.52,147.44)
/AV7: length 19.4
  Top w0.216: R56#2.1 133.89,87.55 U3#2.30 133.85,87.33 135.06,86.13 135.06,85.19 135.11,85.14 135.11,84.32 135.31,84.13 135.31,83.82 135.29,83.8 135.29,83.12 135.31,83.09 135.31,83.04 135.11,82.84 135.11,81.82 135.31,81.63 135.31,81.4 135.93,80.78 RN2#2.3 ; R56.1 48.89,184.55 U3.30 48.85,184.33 50.06,183.13 50.06,182.19 50.11,182.14 50.11,181.32 50.31,181.13 50.31,180.82 50.29,180.8 50.29,180.12 50.31,180.09 50.31,180.04 50.11,179.84 50.11,178.82 50.31,178.63 50.31,178.4 50.93,177.78 RN2.3
/AV7_MCU: length 52.8
  Top w0.216: R57#2.1 R62#2.2 133.88,49.79 134.14,49.53 134.14,47.89 134.19,47.83 v1(134.19,47.41) ; v1(133.68,31.01) 133.02,31.01 132.97,31.06 132.67,31.06 132.61,31.12 U1#2.34 ; R57.1 R62.2 48.88,146.79 49.14,146.53 49.14,144.89 49.19,144.83 v1(49.19,144.41) ; v1(48.68,128.01) 48.02,128.01 47.97,128.06 47.67,128.06 47.61,128.12 U1.34
  Bottom w0.216: v1(134.19,47.41) 132.51,45.73 132.51,31.45 132.96,31.01 v1(133.68,31.01) ; v1(48.68,128.01) 47.96,128.01 47.51,128.45 47.51,142.73 v1(49.19,144.41)
/AV8: length 87.9
  Top w0.216: 157.5,59.25 U2#2.76 157.84,59.24 157.84,59.37 157.92,59.45 157.92,60.11 157.95,60.14 157.95,61.05 157.92,61.09 157.92,61.48 154.74,64.66 153.36,64.66 152.9,65.11 152.9,68.5 152.19,69.21 152.19,71.68 ; R54#2.1 136.72,82.33 U3#2.36 136.73,81.78 RN2#2.2 ; 136.24,82.27 136.06,82.27 ; R54.1 51.72,179.33 U3.36 51.73,178.78 RN2.2 ; 51.24,179.27 51.06,179.27 ; 72.5,156.25 U2.76 72.84,156.24 72.84,156.37 72.92,156.45 72.92,157.11 72.95,157.14 72.95,158.05 72.92,158.09 72.92,158.48 69.74,161.66 68.36,161.66 67.9,162.11 67.9,165.5 67.19,166.21 U10.8
  Top w0.406: 152.19,71.68 152.19,72.81 v1(151.5,73.5) ; U10.8 67.19,169.81 v1(66.5,170.5)
  Bottom w0.406: U3#2.36 137.33,81.18 147.95,81.18 151.5,77.63 v1(151.5,73.5) ; v1(66.5,170.5) 66.5,174.63 62.95,178.18 52.33,178.18 U3.36
/AV8_MCU: length 145
  Top w0.203: R84#2.2 158.83,60.12 158.95,60 158.95,58.01 157.29,56.34 157.29,54.99 157,54.7 156.22,54.7 156,54.49 156,46.54 155.95,46.49 147.05,46.49 147,46.54 147,52.71 145.21,54.49 v1(144.79,54.49) ; R84.2 73.83,157.12 73.95,157 73.95,155.01 72.29,153.34 72.29,151.99 72,151.7 71.22,151.7 71,151.49 71,143.54 70.95,143.49 62.05,143.49 62,143.54 62,149.71 60.21,151.49 v1(59.79,151.49)
  Top w0.216: 133.17,31.41 133.17,31.41 v1(133.17,31.59) 133.14,31.62 U1#2.35 ; R55#2.1 R61#2.2 v1(135.64,49.05) ; v1(50.64,146.05) R61.2 R55.1 ; U1.35 48.14,128.62 v1(48.17,128.59) 48.17,128.41 48.17,128.41
  Bottom w0.216: v1(144.79,54.49) 143.26,56.03 141.25,56.03 141.02,55.8 140.44,55.8 139.83,55.19 139.83,54.74 135.64,50.54 v1(135.64,49.05) 135.64,48.06 132.91,45.33 132.91,31.85 v1(133.17,31.59) ; v1(48.17,128.59) 47.91,128.85 47.91,142.33 50.64,145.06 v1(50.64,146.05) 50.64,147.54 54.83,151.74 54.83,152.19 55.44,152.8 56.02,152.8 56.25,153.03 58.26,153.03 v1(59.79,151.49)